# KiCad board TEST_PANEL.kicad_pcb
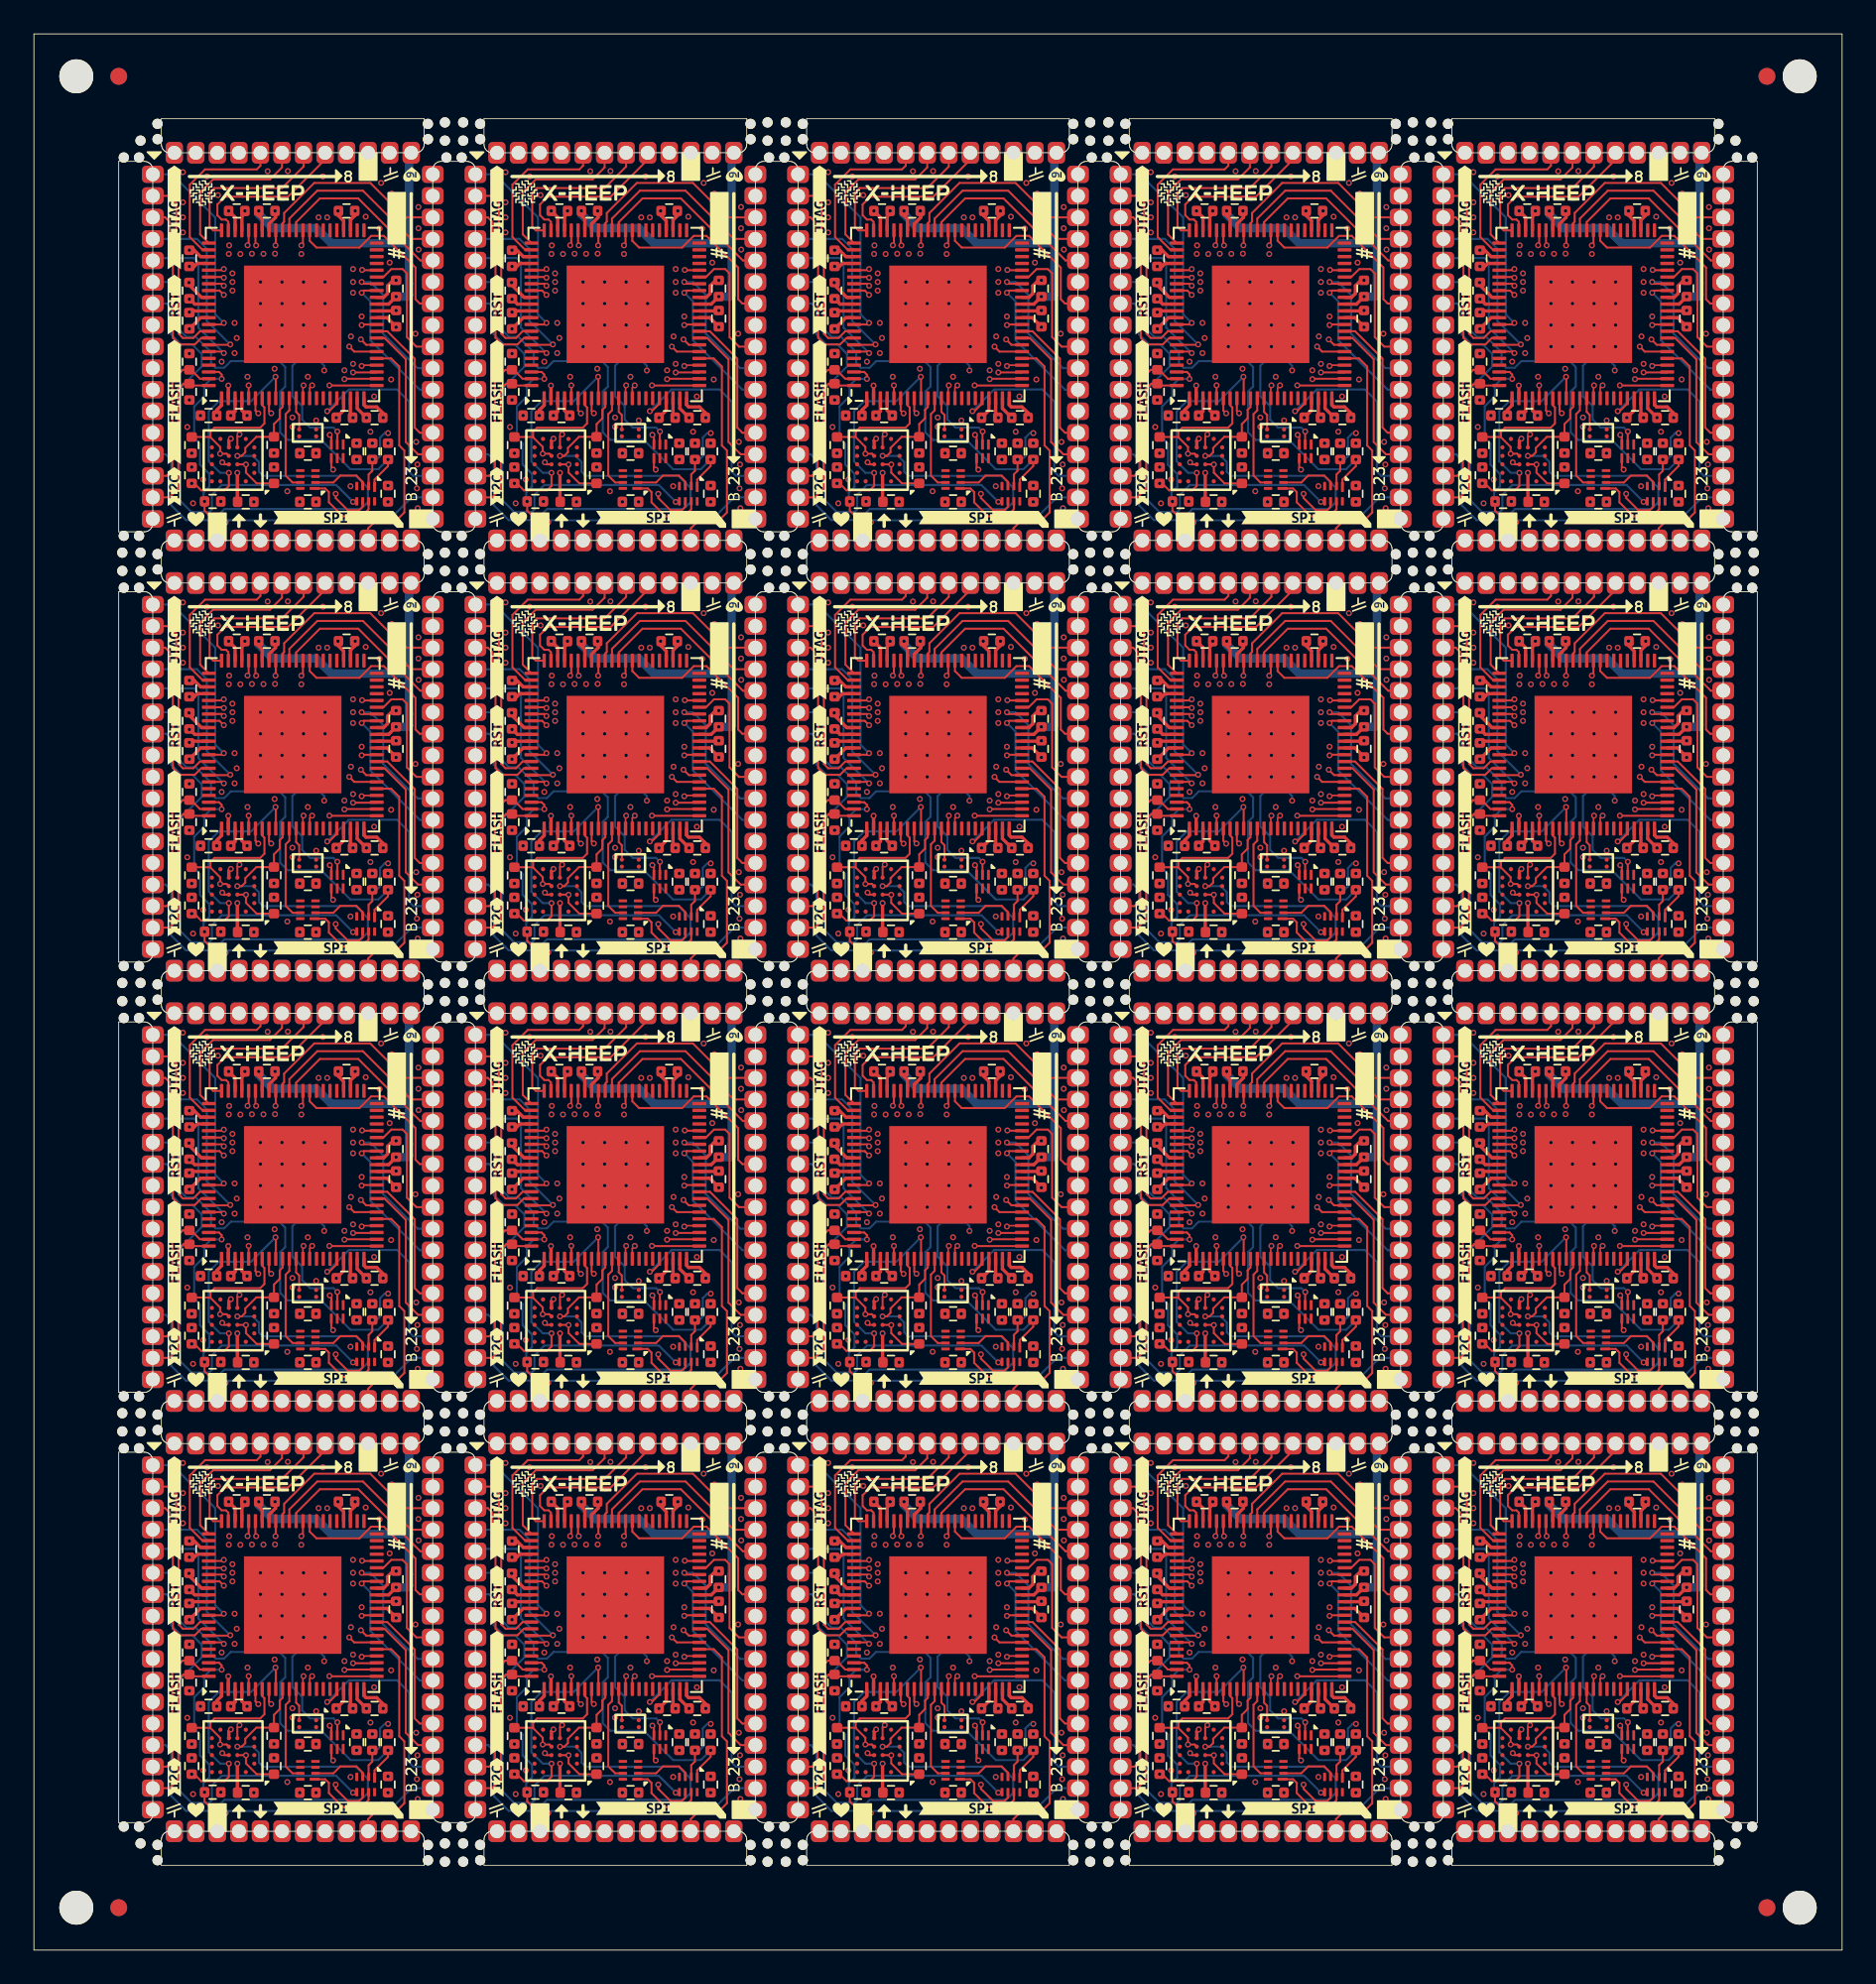
[diagram p0: board, top side]
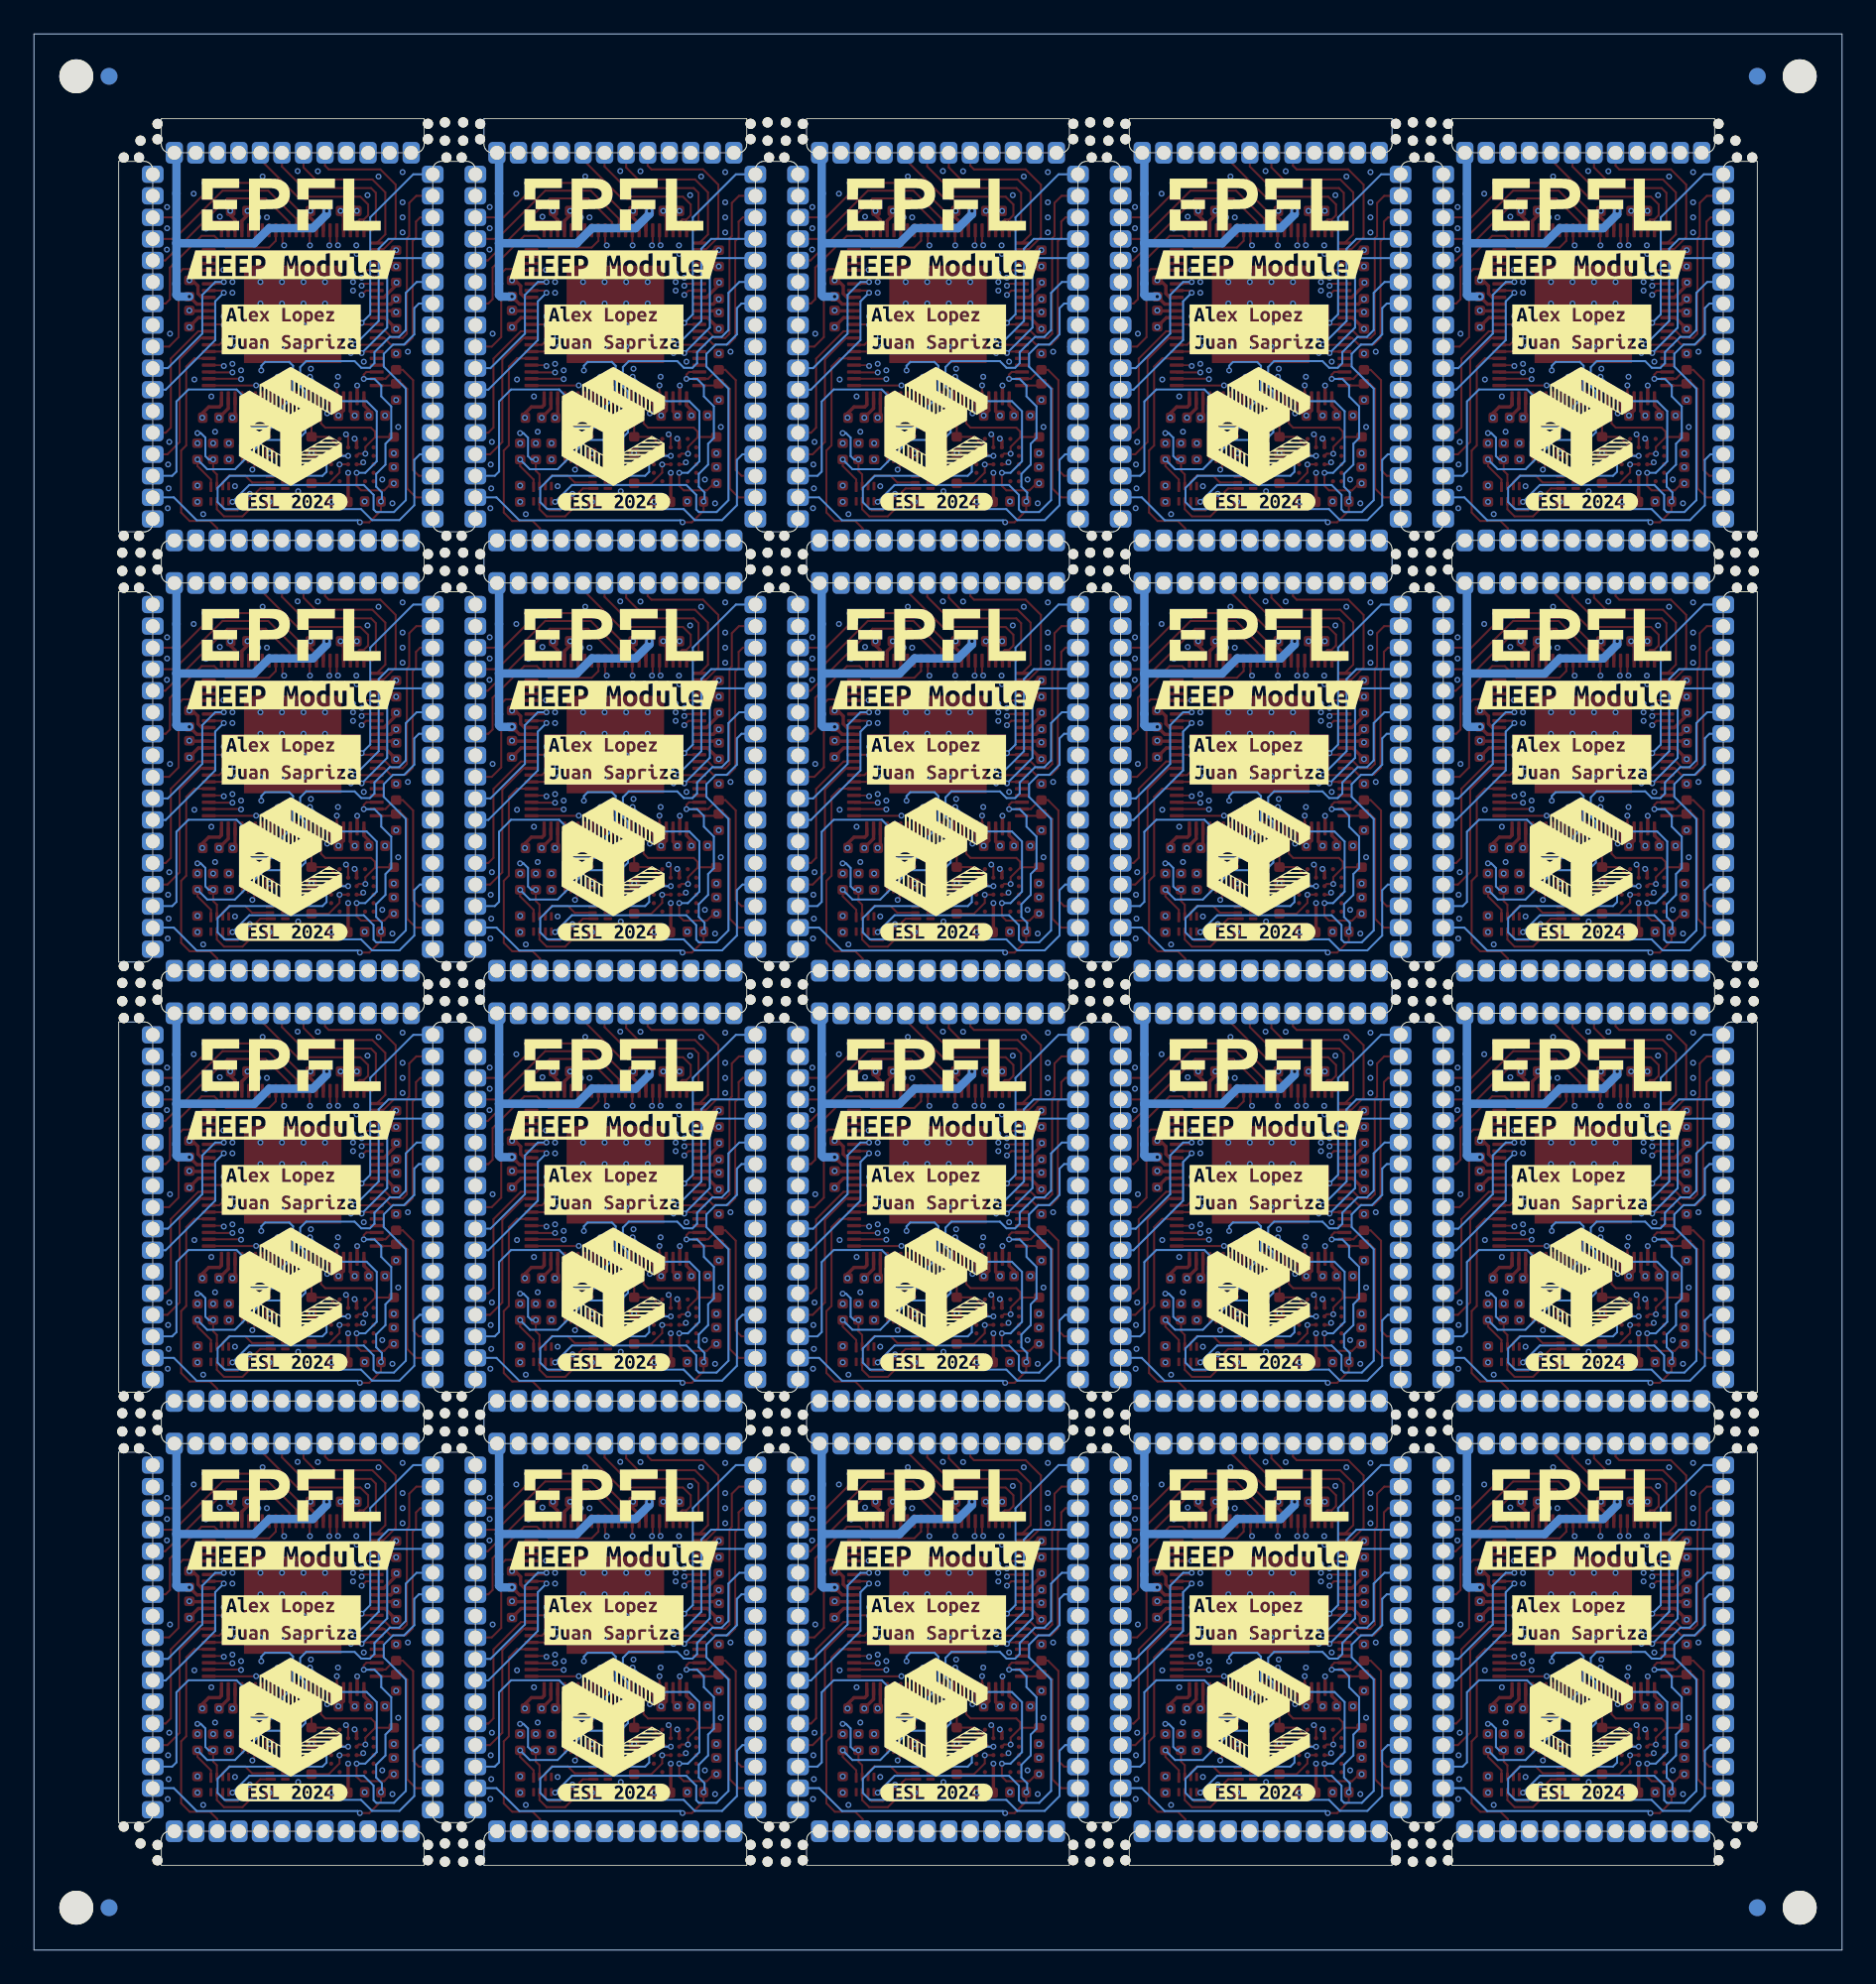
[diagram p1: board, bottom side, seen from below]

Outline 106.63 x 112.99 mm; copper layers: Top, In1.Cu, In2.Cu, In3.Cu, In4.Cu, Bottom. Coordinates in mm from the lower left corner of the outline.
Stack: Top 0.035mm / dielectric 0.1mm FR4 er 4.5 / In1.Cu 0.035mm / dielectric 0.135mm FR4 er 4.5 / In2.Cu 0.035mm / dielectric 0.1mm FR4 er 4.5 / In3.Cu 0.035mm / dielectric 0.135mm FR4 er 4.5 / In4.Cu 0.035mm / dielectric 0.1mm FR4 er 4.5 / Bottom 0.035mm

## Placement (name value [footprint] x y rotation side)
3  -  [unnamed#2]  43.26 5.21 180 top
4  -  [unnamed#2]  44.34 5.21 180 top
5  -  [unnamed#2]  42.26 5.3 180 top
6  -  [unnamed#2]  45.34 5.3 180 top
7  -  [unnamed#2]  45.33 6.2 0 top
8  -  [unnamed#2]  43.26 6.29 0 top
9  -  [unnamed#2]  44.34 6.29 0 top
10  -  [unnamed]  44.33 7.28 0 top
13  -  [unnamed#2]  62.29 5.21 180 top
14  -  [unnamed#2]  63.37 5.21 180 top
15  -  [unnamed#2]  61.29 5.3 180 top
16  -  [unnamed#2]  64.37 5.3 180 top
17  -  [unnamed#2]  64.35 6.2 0 top
18  -  [unnamed#2]  62.29 6.29 0 top
19  -  [unnamed#2]  63.37 6.29 0 top
20  -  [unnamed]  63.35 7.28 0 top
23  -  [unnamed#2]  81.32 5.21 180 top
24  -  [unnamed#2]  82.39 5.21 180 top
25  -  [unnamed#2]  80.32 5.3 180 top
26  -  [unnamed#2]  83.4 5.3 180 top
27  -  [unnamed#2]  83.38 6.2 0 top
28  -  [unnamed#2]  81.32 6.29 0 top
29  -  [unnamed#2]  82.39 6.29 0 top
30  -  [unnamed]  82.38 7.28 0 top
31  -  [unnamed#2]  24.33 29.59 180 top
32  -  [unnamed#2]  25.23 29.59 180 top
33  -  [unnamed#2]  24.24 30.58 180 top
34  -  [unnamed#2]  25.31 30.58 180 top
35  -  [unnamed#2]  23.24 30.67 180 top
36  -  [unnamed#2]  26.32 30.67 180 top
37  -  [unnamed#2]  26.3 31.57 0 top
38  -  [unnamed#2]  24.24 31.66 0 top
39  -  [unnamed#2]  25.31 31.66 0 top
40  -  [unnamed]  25.3 32.65 0 top
41  -  [unnamed#2]  43.35 29.59 180 top
42  -  [unnamed#2]  44.25 29.59 180 top
43  -  [unnamed#2]  43.26 30.58 180 top
44  -  [unnamed#2]  44.34 30.58 180 top
45  -  [unnamed#2]  42.26 30.67 180 top
46  -  [unnamed#2]  45.34 30.67 180 top
47  -  [unnamed#2]  45.33 31.57 0 top
48  -  [unnamed#2]  43.26 31.66 0 top
49  -  [unnamed#2]  44.34 31.66 0 top
50  -  [unnamed]  44.33 32.65 0 top
51  -  [unnamed#2]  62.38 29.59 180 top
52  -  [unnamed#2]  63.28 29.59 180 top
53  -  [unnamed#2]  62.29 30.58 180 top
54  -  [unnamed#2]  63.37 30.58 180 top
55  -  [unnamed#2]  61.29 30.67 180 top
56  -  [unnamed#2]  64.37 30.67 180 top
57  -  [unnamed#2]  64.35 31.57 0 top
58  -  [unnamed#2]  62.29 31.66 0 top
59  -  [unnamed#2]  63.37 31.66 0 top
60  -  [unnamed]  63.35 32.65 0 top
61  -  [unnamed#2]  81.4 29.59 180 top
62  -  [unnamed#2]  82.3 29.59 180 top
63  -  [unnamed#2]  81.32 30.58 180 top
64  -  [unnamed#2]  82.39 30.58 180 top
65  -  [unnamed#2]  80.32 30.67 180 top
66  -  [unnamed#2]  83.4 30.67 180 top
67  -  [unnamed#2]  83.38 31.57 0 top
68  -  [unnamed#2]  81.32 31.66 0 top
69  -  [unnamed#2]  82.39 31.66 0 top
70  -  [unnamed]  82.38 32.65 0 top
71  -  [unnamed#2]  24.33 54.96 180 top
72  -  [unnamed#2]  25.23 54.96 180 top
73  -  [unnamed#2]  24.24 55.95 180 top
74  -  [unnamed#2]  25.31 55.95 180 top
75  -  [unnamed#2]  23.24 56.04 180 top
76  -  [unnamed#2]  26.32 56.04 180 top
77  -  [unnamed#2]  26.3 56.95 0 top
78  -  [unnamed#2]  24.24 57.03 0 top
79  -  [unnamed#2]  25.31 57.03 0 top
80  -  [unnamed]  25.3 58.02 0 top
81  -  [unnamed#2]  43.35 54.96 180 top
82  -  [unnamed#2]  44.25 54.96 180 top
83  -  [unnamed#2]  43.26 55.95 180 top
84  -  [unnamed#2]  44.34 55.95 180 top
85  -  [unnamed#2]  42.26 56.04 180 top
86  -  [unnamed#2]  45.34 56.04 180 top
87  -  [unnamed#2]  45.33 56.95 0 top
88  -  [unnamed#2]  43.26 57.03 0 top
89  -  [unnamed#2]  44.34 57.03 0 top
90  -  [unnamed]  44.33 58.02 0 top
91  -  [unnamed#2]  62.38 54.96 180 top
92  -  [unnamed#2]  63.28 54.96 180 top
93  -  [unnamed#2]  62.29 55.95 180 top
94  -  [unnamed#2]  63.37 55.95 180 top
95  -  [unnamed#2]  61.29 56.04 180 top
96  -  [unnamed#2]  64.37 56.04 180 top
97  -  [unnamed#2]  64.35 56.95 0 top
98  -  [unnamed#2]  62.29 57.03 0 top
99  -  [unnamed#2]  63.37 57.03 0 top
100  -  [unnamed]  63.35 58.02 0 top
101  -  [unnamed#2]  81.4 54.96 180 top
102  -  [unnamed#2]  82.3 54.96 180 top
103  -  [unnamed#2]  81.32 55.95 180 top
104  -  [unnamed#2]  82.39 55.95 180 top
105  -  [unnamed#2]  80.32 56.04 180 top
106  -  [unnamed#2]  83.4 56.04 180 top
107  -  [unnamed#2]  83.38 56.95 0 top
108  -  [unnamed#2]  81.32 57.03 0 top
109  -  [unnamed#2]  82.39 57.03 0 top
110  -  [unnamed]  82.38 58.02 0 top
111  -  [unnamed#2]  24.33 80.33 180 top
112  -  [unnamed#2]  25.23 80.33 180 top
113  -  [unnamed#2]  24.24 81.33 180 top
114  -  [unnamed#2]  25.31 81.33 180 top
115  -  [unnamed#2]  23.24 81.41 180 top
116  -  [unnamed#2]  26.32 81.41 180 top
117  -  [unnamed#2]  26.3 82.32 0 top
118  -  [unnamed#2]  24.24 82.4 0 top
119  -  [unnamed#2]  25.31 82.4 0 top
120  -  [unnamed]  25.3 83.39 0 top
121  -  [unnamed#2]  43.35 80.33 180 top
122  -  [unnamed#2]  44.25 80.33 180 top
123  -  [unnamed#2]  43.26 81.33 180 top
124  -  [unnamed#2]  44.34 81.33 180 top
125  -  [unnamed#2]  42.26 81.41 180 top
126  -  [unnamed#2]  45.34 81.41 180 top
127  -  [unnamed#2]  45.33 82.32 0 top
128  -  [unnamed#2]  43.26 82.4 0 top
129  -  [unnamed#2]  44.34 82.4 0 top
130  -  [unnamed]  44.33 83.39 0 top
131  -  [unnamed#2]  62.38 80.33 180 top
132  -  [unnamed#2]  63.28 80.33 180 top
133  -  [unnamed#2]  62.29 81.33 180 top
134  -  [unnamed#2]  63.37 81.33 180 top
135  -  [unnamed#2]  61.29 81.41 180 top
136  -  [unnamed#2]  64.37 81.41 180 top
137  -  [unnamed#2]  64.35 82.32 0 top
138  -  [unnamed#2]  62.29 82.4 0 top
139  -  [unnamed#2]  63.37 82.4 0 top
140  -  [unnamed]  63.35 83.39 0 top
141  -  [unnamed#2]  81.4 80.33 180 top
142  -  [unnamed#2]  82.3 80.33 180 top
143  -  [unnamed#2]  81.32 81.33 180 top
144  -  [unnamed#2]  82.39 81.33 180 top
145  -  [unnamed#2]  80.32 81.41 180 top
146  -  [unnamed#2]  83.4 81.41 180 top
147  -  [unnamed#2]  83.38 82.32 0 top
148  -  [unnamed#2]  81.32 82.4 0 top
149  -  [unnamed#2]  82.39 82.4 0 top
150  -  [unnamed]  82.38 83.39 0 top
151  -  [unnamed#2]  24.33 105.7 180 top
152  -  [unnamed#2]  25.23 105.7 180 top
153  -  [unnamed#2]  24.24 106.7 180 top
154  -  [unnamed#2]  25.31 106.7 180 top
155  -  [unnamed#2]  23.24 106.78 180 top
156  -  [unnamed#2]  26.32 106.78 180 top
157  -  [unnamed#2]  26.3 107.69 0 top
158  -  [unnamed#2]  24.24 107.77 0 top
159  -  [unnamed#2]  25.31 107.77 0 top
161  -  [unnamed#2]  43.35 105.7 180 top
162  -  [unnamed#2]  44.25 105.7 180 top
163  -  [unnamed#2]  43.26 106.7 180 top
164  -  [unnamed#2]  44.34 106.7 180 top
165  -  [unnamed#2]  42.26 106.78 180 top
166  -  [unnamed#2]  45.34 106.78 180 top
167  -  [unnamed#2]  45.33 107.69 0 top
168  -  [unnamed#2]  43.26 107.77 0 top
169  -  [unnamed#2]  44.34 107.77 0 top
171  -  [unnamed#2]  62.38 105.7 180 top
172  -  [unnamed#2]  63.28 105.7 180 top
173  -  [unnamed#2]  62.29 106.7 180 top
174  -  [unnamed#2]  63.37 106.7 180 top
175  -  [unnamed#2]  61.29 106.78 180 top
176  -  [unnamed#2]  64.37 106.78 180 top
177  -  [unnamed#2]  64.35 107.69 0 top
178  -  [unnamed#2]  62.29 107.77 0 top
179  -  [unnamed#2]  63.37 107.77 0 top
181  -  [unnamed#2]  81.4 105.7 180 top
182  -  [unnamed#2]  82.3 105.7 180 top
183  -  [unnamed#2]  81.32 106.7 180 top
184  -  [unnamed#2]  82.39 106.7 180 top
185  -  [unnamed#2]  80.32 106.78 180 top
186  -  [unnamed#2]  83.4 106.78 180 top
187  -  [unnamed#2]  83.38 107.69 0 top
188  -  [unnamed#2]  81.32 107.77 0 top
189  -  [unnamed#2]  82.39 107.77 0 top
C1  100n 10V  [C0402]  12.09 14.37 180 top
C2  100n 10V  [C0402]  18.31 14.25 180 top
C3  100n 10V  [C0402]  21.36 20.09 270 top
C4  100n 10V  [C0402]  18.44 26.44 180 top
C5  100n 10V  [C0402]  11.96 26.44 180 top
C6  100n 10V  [C0402]  9.17 19.96 270 top
C7  100n 10V  [C0402]  10.3 14.37 0 top
C8  100n 10V  [C0402]  20.09 14.25 180 top
C9  100n 10V  [C0402]  21.36 21.87 270 top
C10  100n 10V  [C0402]  9.17 21.74 270 top
C11  100n 10V  [C0402]  13.74 26.44 180 top
C12  100n 10V  [C0402]  9.17 23.64 270 top
C13  100n 10V  [C0402]  16.15 12.15 180 top
C14  100n 10V  [C0402]  12.49 9.28 180 top
C15  100n 10V  [C0402]  20.88 9.76 270 top
C16  100n 10V  [C0402]  19.03 12.26 270 top
C17  100n 10V  [C0402]  16.15 9.28 180 top
C18  100n 10V  [C0402]  31.11 14.37 180 top
C19  100n 10V  [C0402]  37.34 14.25 180 top
C20  100n 10V  [C0402]  40.38 20.09 270 top
C21  100n 10V  [C0402]  37.46 26.44 180 top
C22  100n 10V  [C0402]  30.99 26.44 180 top
C23  100n 10V  [C0402]  28.19 19.96 270 top
C24  100n 10V  [C0402]  29.33 14.37 0 top
C25  100n 10V  [C0402]  39.11 14.25 180 top
C26  100n 10V  [C0402]  40.38 21.87 270 top
C27  100n 10V  [C0402]  28.19 21.74 270 top
C28  100n 10V  [C0402]  32.77 26.44 180 top
C29  100n 10V  [C0402]  28.19 23.64 270 top
C30  100n 10V  [C0402]  35.18 12.15 180 top
C31  100n 10V  [C0402]  31.52 9.28 180 top
C32  100n 10V  [C0402]  39.91 9.76 270 top
C33  100n 10V  [C0402]  38.06 12.26 270 top
C34  100n 10V  [C0402]  35.18 9.28 180 top
C35  100n 10V  [C0402]  50.14 14.37 180 top
C36  100n 10V  [C0402]  56.36 14.25 180 top
C37  100n 10V  [C0402]  59.41 20.09 270 top
C38  100n 10V  [C0402]  56.49 26.44 180 top
C39  100n 10V  [C0402]  50.01 26.44 180 top
C40  100n 10V  [C0402]  47.22 19.96 270 top
C41  100n 10V  [C0402]  48.35 14.37 0 top
C42  100n 10V  [C0402]  58.14 14.25 180 top
C43  100n 10V  [C0402]  59.41 21.87 270 top
C44  100n 10V  [C0402]  47.22 21.74 270 top
C45  100n 10V  [C0402]  51.79 26.44 180 top
C46  100n 10V  [C0402]  47.22 23.64 270 top
C47  100n 10V  [C0402]  54.21 12.15 180 top
C48  100n 10V  [C0402]  50.54 9.28 180 top
C49  100n 10V  [C0402]  58.93 9.76 270 top
C50  100n 10V  [C0402]  57.08 12.26 270 top
C51  100n 10V  [C0402]  54.21 9.28 180 top
C52  100n 10V  [C0402]  69.17 14.37 180 top
C53  100n 10V  [C0402]  75.39 14.25 180 top
C54  100n 10V  [C0402]  78.44 20.09 270 top
C55  100n 10V  [C0402]  75.52 26.44 180 top
C56  100n 10V  [C0402]  69.04 26.44 180 top
C57  100n 10V  [C0402]  66.25 19.96 270 top
C58  100n 10V  [C0402]  67.38 14.37 0 top
C59  100n 10V  [C0402]  77.17 14.25 180 top
C60  100n 10V  [C0402]  78.44 21.87 270 top
C61  100n 10V  [C0402]  66.25 21.74 270 top
C62  100n 10V  [C0402]  70.82 26.44 180 top
C63  100n 10V  [C0402]  66.25 23.64 270 top
C64  100n 10V  [C0402]  73.23 12.15 180 top
C65  100n 10V  [C0402]  69.57 9.28 180 top
C66  100n 10V  [C0402]  77.96 9.76 270 top
C67  100n 10V  [C0402]  76.11 12.26 270 top
C68  100n 10V  [C0402]  73.23 9.28 180 top
C69  100n 10V  [C0402]  88.19 14.37 180 top
C70  100n 10V  [C0402]  94.41 14.25 180 top
C71  100n 10V  [C0402]  97.46 20.09 270 top
C72  100n 10V  [C0402]  94.54 26.44 180 top
C73  100n 10V  [C0402]  88.06 26.44 180 top
C74  100n 10V  [C0402]  85.27 19.96 270 top
C75  100n 10V  [C0402]  86.4 14.37 0 top
C76  100n 10V  [C0402]  96.19 14.25 180 top
C77  100n 10V  [C0402]  97.46 21.87 270 top
C78  100n 10V  [C0402]  85.27 21.74 270 top
C79  100n 10V  [C0402]  89.84 26.44 180 top
C80  100n 10V  [C0402]  85.27 23.64 270 top
C81  100n 10V  [C0402]  92.26 12.15 180 top
C82  100n 10V  [C0402]  88.59 9.28 180 top
C83  100n 10V  [C0402]  96.98 9.76 270 top
C84  100n 10V  [C0402]  95.13 12.26 270 top
C85  100n 10V  [C0402]  92.26 9.28 180 top
C86  100n 10V  [C0402]  12.09 39.74 180 top
C87  100n 10V  [C0402]  18.31 39.62 180 top
C88  100n 10V  [C0402]  21.36 45.46 270 top
C89  100n 10V  [C0402]  18.44 51.81 180 top
C90  100n 10V  [C0402]  11.96 51.81 180 top
C91  100n 10V  [C0402]  9.17 45.33 270 top
C92  100n 10V  [C0402]  10.3 39.74 0 top
C93  100n 10V  [C0402]  20.09 39.62 180 top
C94  100n 10V  [C0402]  21.36 47.24 270 top
C95  100n 10V  [C0402]  9.17 47.11 270 top
C96  100n 10V  [C0402]  13.74 51.81 180 top
C97  100n 10V  [C0402]  9.17 49.02 270 top
C98  100n 10V  [C0402]  16.15 37.52 180 top
C99  100n 10V  [C0402]  12.49 34.65 180 top
C100  100n 10V  [C0402]  20.88 35.13 270 top
C101  100n 10V  [C0402]  19.03 37.63 270 top
C102  100n 10V  [C0402]  16.15 34.65 180 top
C103  100n 10V  [C0402]  31.11 39.74 180 top
C104  100n 10V  [C0402]  37.34 39.62 180 top
C105  100n 10V  [C0402]  40.38 45.46 270 top
C106  100n 10V  [C0402]  37.46 51.81 180 top
C107  100n 10V  [C0402]  30.99 51.81 180 top
C108  100n 10V  [C0402]  28.19 45.33 270 top
C109  100n 10V  [C0402]  29.33 39.74 0 top
C110  100n 10V  [C0402]  39.11 39.62 180 top
C111  100n 10V  [C0402]  40.38 47.24 270 top
C112  100n 10V  [C0402]  28.19 47.11 270 top
C113  100n 10V  [C0402]  32.77 51.81 180 top
C114  100n 10V  [C0402]  28.19 49.02 270 top
C115  100n 10V  [C0402]  35.18 37.52 180 top
C116  100n 10V  [C0402]  31.52 34.65 180 top
C117  100n 10V  [C0402]  39.91 35.13 270 top
C118  100n 10V  [C0402]  38.06 37.63 270 top
C119  100n 10V  [C0402]  35.18 34.65 180 top
C120  100n 10V  [C0402]  50.14 39.74 180 top
C121  100n 10V  [C0402]  56.36 39.62 180 top
C122  100n 10V  [C0402]  59.41 45.46 270 top
C123  100n 10V  [C0402]  56.49 51.81 180 top
C124  100n 10V  [C0402]  50.01 51.81 180 top
C125  100n 10V  [C0402]  47.22 45.33 270 top
C126  100n 10V  [C0402]  48.35 39.74 0 top
C127  100n 10V  [C0402]  58.14 39.62 180 top
C128  100n 10V  [C0402]  59.41 47.24 270 top
C129  100n 10V  [C0402]  47.22 47.11 270 top
C130  100n 10V  [C0402]  51.79 51.81 180 top
C131  100n 10V  [C0402]  47.22 49.02 270 top
C132  100n 10V  [C0402]  54.21 37.52 180 top
C133  100n 10V  [C0402]  50.54 34.65 180 top
C134  100n 10V  [C0402]  58.93 35.13 270 top
C135  100n 10V  [C0402]  57.08 37.63 270 top
C136  100n 10V  [C0402]  54.21 34.65 180 top
C137  100n 10V  [C0402]  69.17 39.74 180 top
C138  100n 10V  [C0402]  75.39 39.62 180 top
C139  100n 10V  [C0402]  78.44 45.46 270 top
C140  100n 10V  [C0402]  75.52 51.81 180 top
C141  100n 10V  [C0402]  69.04 51.81 180 top
C142  100n 10V  [C0402]  66.25 45.33 270 top
C143  100n 10V  [C0402]  67.38 39.74 0 top
C144  100n 10V  [C0402]  77.17 39.62 180 top
C145  100n 10V  [C0402]  78.44 47.24 270 top
C146  100n 10V  [C0402]  66.25 47.11 270 top
C147  100n 10V  [C0402]  70.82 51.81 180 top
C148  100n 10V  [C0402]  66.25 49.02 270 top
C149  100n 10V  [C0402]  73.23 37.52 180 top
C150  100n 10V  [C0402]  69.57 34.65 180 top
C151  100n 10V  [C0402]  77.96 35.13 270 top
C152  100n 10V  [C0402]  76.11 37.63 270 top
C153  100n 10V  [C0402]  73.23 34.65 180 top
C154  100n 10V  [C0402]  88.19 39.74 180 top
C155  100n 10V  [C0402]  94.41 39.62 180 top
C156  100n 10V  [C0402]  97.46 45.46 270 top
C157  100n 10V  [C0402]  94.54 51.81 180 top
C158  100n 10V  [C0402]  88.06 51.81 180 top
C159  100n 10V  [C0402]  85.27 45.33 270 top
C160  100n 10V  [C0402]  86.4 39.74 0 top
C161  100n 10V  [C0402]  96.19 39.62 180 top
C162  100n 10V  [C0402]  97.46 47.24 270 top
C163  100n 10V  [C0402]  85.27 47.11 270 top
C164  100n 10V  [C0402]  89.84 51.81 180 top
C165  100n 10V  [C0402]  85.27 49.02 270 top
C166  100n 10V  [C0402]  92.26 37.52 180 top
C167  100n 10V  [C0402]  88.59 34.65 180 top
C168  100n 10V  [C0402]  96.98 35.13 270 top
C169  100n 10V  [C0402]  95.13 37.63 270 top
C170  100n 10V  [C0402]  92.26 34.65 180 top
C171  100n 10V  [C0402]  12.09 65.12 180 top
C172  100n 10V  [C0402]  18.31 64.99 180 top
C173  100n 10V  [C0402]  21.36 70.83 270 top
C174  100n 10V  [C0402]  18.44 77.18 180 top
C175  100n 10V  [C0402]  11.96 77.18 180 top
C176  100n 10V  [C0402]  9.17 70.7 270 top
C177  100n 10V  [C0402]  10.3 65.12 0 top
C178  100n 10V  [C0402]  20.09 64.99 180 top
C179  100n 10V  [C0402]  21.36 72.61 270 top
C180  100n 10V  [C0402]  9.17 72.48 270 top
C181  100n 10V  [C0402]  13.74 77.18 180 top
C182  100n 10V  [C0402]  9.17 74.39 270 top
C183  100n 10V  [C0402]  16.15 62.89 180 top
C184  100n 10V  [C0402]  12.49 60.02 180 top
C185  100n 10V  [C0402]  20.88 60.5 270 top
C186  100n 10V  [C0402]  19.03 63 270 top
C187  100n 10V  [C0402]  16.15 60.02 180 top
C188  100n 10V  [C0402]  31.11 65.12 180 top
C189  100n 10V  [C0402]  37.34 64.99 180 top
C190  100n 10V  [C0402]  40.38 70.83 270 top
C191  100n 10V  [C0402]  37.46 77.18 180 top
C192  100n 10V  [C0402]  30.99 77.18 180 top
C193  100n 10V  [C0402]  28.19 70.7 270 top
C194  100n 10V  [C0402]  29.33 65.12 0 top
C195  100n 10V  [C0402]  39.11 64.99 180 top
C196  100n 10V  [C0402]  40.38 72.61 270 top
C197  100n 10V  [C0402]  28.19 72.48 270 top
C198  100n 10V  [C0402]  32.77 77.18 180 top
C199  100n 10V  [C0402]  28.19 74.39 270 top
C200  100n 10V  [C0402]  35.18 62.89 180 top
C201  100n 10V  [C0402]  31.52 60.02 180 top
C202  100n 10V  [C0402]  39.91 60.5 270 top
C203  100n 10V  [C0402]  38.06 63 270 top
C204  100n 10V  [C0402]  35.18 60.02 180 top
C205  100n 10V  [C0402]  50.14 65.12 180 top
C206  100n 10V  [C0402]  56.36 64.99 180 top
C207  100n 10V  [C0402]  59.41 70.83 270 top
C208  100n 10V  [C0402]  56.49 77.18 180 top
C209  100n 10V  [C0402]  50.01 77.18 180 top
C210  100n 10V  [C0402]  47.22 70.7 270 top
C211  100n 10V  [C0402]  48.35 65.12 0 top
C212  100n 10V  [C0402]  58.14 64.99 180 top
C213  100n 10V  [C0402]  59.41 72.61 270 top
C214  100n 10V  [C0402]  47.22 72.48 270 top
C215  100n 10V  [C0402]  51.79 77.18 180 top
C216  100n 10V  [C0402]  47.22 74.39 270 top
C217  100n 10V  [C0402]  54.21 62.89 180 top
C218  100n 10V  [C0402]  50.54 60.02 180 top
C219  100n 10V  [C0402]  58.93 60.5 270 top
C220  100n 10V  [C0402]  57.08 63 270 top
C221  100n 10V  [C0402]  54.21 60.02 180 top
C222  100n 10V  [C0402]  69.17 65.12 180 top
C223  100n 10V  [C0402]  75.39 64.99 180 top
C224  100n 10V  [C0402]  78.44 70.83 270 top
C225  100n 10V  [C0402]  75.52 77.18 180 top